# KiCad board smps_legged_robot.kicad_pcb (continued)
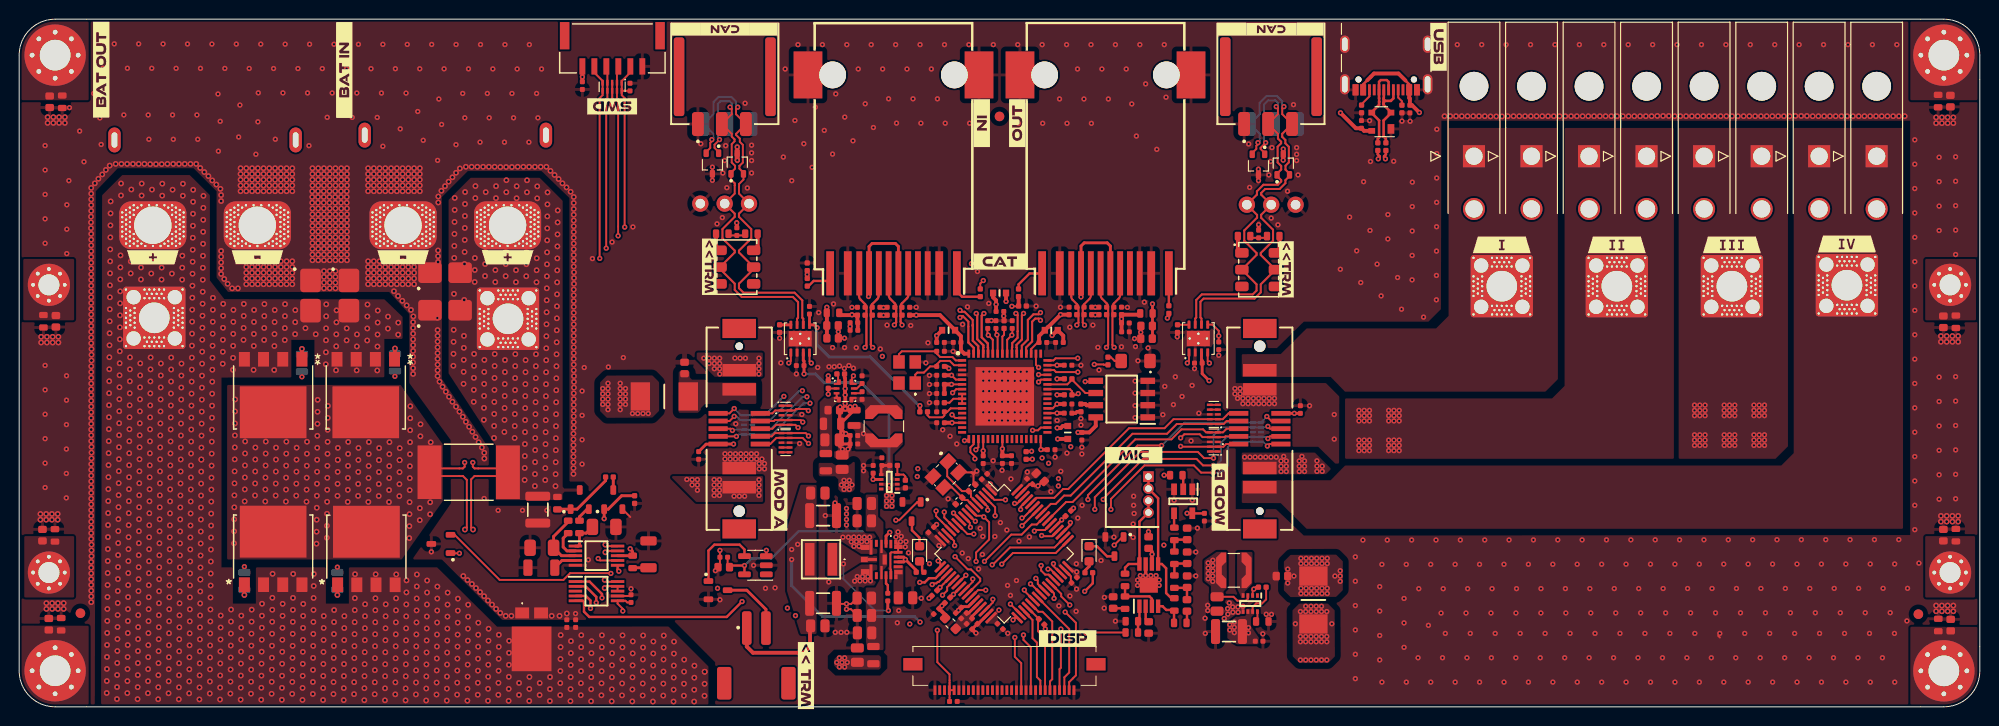
[diagram p0: board, top side]
## Library data of the parts
C401 C402 = -: Description: Unpolarized capacitor, small symbol; Digikey ref: 311-3707-1-ND; Manufacturer ref: CC0402BRNPO9BN6R0
C403-C405 C407-C410 C414 C416 C417 C808 C809 C815 C901 C1001 C1101 C1102 C1104 C1105 C1109-C1128 C1206 C1701 C1709 C1801 C2001 = -: Description: Unpolarized capacitor, small symbol; Manufacturer: Murata Electronics; Manufacturer Part Number: GCM155R71H104KE02J; Supplier 1: Digikey; Supplier Part Number 1: 490-14514-1-ND
C406 C412 C413 C415 C814 C818 C820 = -: Description: Unpolarized capacitor; Manufacturer: Murata Electronics; Manufacturer Part Number: GRM155Z71A105KE01J; Supplier 1: Digikey; Supplier Part Number 1: 490-GRM155Z71A105KE01JCT-ND
C411 C1802 = -: Description: Unpolarized capacitor; Manufacturer: Murata Electronics; Manufacturer Part Number: GRM188Z71C475KE21J; Supplier 1: Digikey; Supplier Part Number 1: 490-GRM188Z71C475KE21JCT-ND
C801 C810-C812 C1201-C1203 = -: Description: Unpolarized capacitor; Manufacturer: TDK Corporation; Manufacturer Part Number: CGA4J1X7R2A225K125AC; Supplier 1: Mouser; Supplier Part Number 1: 810-CGA4J7R2A225K125
C802 C813 C1204 C1302 C1401 C1503 = -: Description: Unpolarized capacitor; Manufacturer: Taiyo Yuden; Manufacturer Part Number: HMK107B7104KAHT; Supplier 1: Digikey; Supplier Part Number 1: 587-6009-1-ND
C803-C806 C1103 C1129-C1147 C1205 C1207 C1501 C1502 C1504 C1702-C1708 = -: Description: Unpolarized capacitor
C807 C817 = -: Description: Unpolarized capacitor; Manufacturer: Murata Electronics; Manufacturer Part Number: GRM21BZ71A226ME15L; Supplier 1: Digikey; Supplier Part Number 1: 490-GRM21BZ71A226ME15LCT-ND
C816 = -: Description: Unpolarized capacitor; Manufacturer: Murata Electronics; Manufacturer Part Number: GCM155R71H104KE02J; Supplier 1: Digikey; Supplier Part Number 1: 490-14514-1-ND
C1149 C1150 = -: Description: Unpolarized capacitor, small symbol; Manufacturer: Murata Electronics; Manufacturer Part Number: GCM155R72A472KA37D; Supplier 1: Digikey; Supplier Part Number 1: 490-4765-1-ND
C2102-C2105 C2201-C2204 = -: Description: Unpolarized capacitor, small symbol; Manufacturer: KEMET; Manufacturer Part Number: C0603V102KDRAC7867; Supplier 1: Digikey; Supplier Part Number 1: 399-12306-1-ND
D401 = -: Description: Ultra low capacitance double rail-to-rail ESD protection diode, SOT-143; Distributor: Mouser; Distributor ref: 771-PRTR5V0U2X-T/R; Manufacturer ref: PRTR5V0U2X,215
D402 D901-D903 D1001-D1003 = -: Description: 3.5V (Typ) Clamp 7A (8/20µs) Ipp Tvs Diode Surface Mount, Wettable Flank DFN2510D-10; Manufacturer: Nexperia USA Inc.; Supplier 1: Digikey; Supplier Part Number 1: 1727-PESD4USB3U-TBSXCT-ND
D501-D504 = -: Description: ESD Suppressors / TVS Diodes 51V 600W Bidir TransZorb 3.5% Tol; Manufacturer: Vishay; Supplier 1: Digikey; Supplier Part Number 1: SMBJ51CD-M3/HGICT-ND
D801 D802 = -: Description: Light emitting diode; Digikey ref: 492-1324-1-ND; Manufacturer ref: SM0603GC
D1101 = -: Description: ON SEMICONDUCTOR - FSV10150V - SCHOTTKY RECT, AEC-Q101, 150V, TO-277; Height: 1.2; Manufacturer_Name: onsemi; Mouser Part Number: 512-FSV10150V; Mouser Price/Stock: https://www.mouser.co.uk/ProductDetail/onsemi-Fairchild/FSV10150V?qs=8Nc07tNByyHDpnj9P4DlxQ%3D%3D
D1102-D1105 = -: Description: ESD Suppressors / TVS Diodes PESD2CANFD24V-UX; Manufacturer: Nexperia USA Inc.; Supplier 1: Digikey; Supplier Part Number 1: 1727-PESD2CANFD24V-UXCT-ND
D1107 = -: Description: Light emitting diode; Digikey ref: 160-1445-1-ND; Manufacturer ref: LTST-C191KFKT
F1301 F1401 = -: Description: Littelfuse 15A FF Non-Resettable Surface Mount Fuse, 65 V; Height: 2.94; Manufacturer_Name: LITTELFUSE; Mouser Part Number: 576-0451015.MRL; Mouser Price/Stock: https://www.mouser.co.uk/ProductDetail/Littelfuse/0451015.MRL?qs=bpnLQM2ZShzZ87Rm5CvzLA%3D%3D
FB401 = -: Description: Ferrite bead, small symbol; Digikey ref: 490-13260-1-ND; Manufacturer ref: BLM18KG101TH1D
FB801 FB1201 = -: Description: Ferrite bead; Manufacturer: Würth Elektronik; Manufacturer Part Number: 742792096; Supplier 1: Digikey; Supplier Part Number 1: 732-4648-1-ND
FB1101-FB1104 = -: Description: Ferrite bead
FM2201-FM2206 = -: Description: Fiducial Marker
H2101-H2104 H2201-H2204 = -: Description: Mounting Hole with connection
IC801 = -: Description: Switching Voltage Regulators Automotive 3-V to 17-V, 0.6-A, low-IQ, synchronous buck converter in SOT-583 package 8-SOT-5X3 -40 to 150; Height: 0.6; Manufacturer_Name: Texas Instruments; Mouser Part Number: 595-TPS629206QDRLRQ1; Mouser Price/Stock: https://www.mouser.co.uk/ProductDetail/Texas-Instruments/TPS629206QDRLRQ1?qs=Znm5pLBrcAKSjTz%252BzqwnCQ%3D%3D
IC1101 = -: Description: Ethernet ICs; Height: 1; Manufacturer_Name: Microchip; Manufacturer_Part_Number: LAN9252/ML; Mouser Part Number: 579-LAN9252/ML; Mouser Price/Stock: https://www.mouser.co.uk/ProductDetail/Microchip-Technology/LAN9252-ML?qs=%252ByRm1sYhYIl68yMSuZ2bQg%3D%3D
IC1102 = -: Description: 16 Kbit serial I2C bus EEPROM; Height: 1.75; Manufacturer_Name: STMicroelectronics; Mouser Part Number: 511-M24C16-RMN6P; Mouser Price/Stock: https://www.mouser.co.uk/ProductDetail/STMicroelectronics/M24C16-RMN6P?qs=%252B9pWl1iD4MU%252B7lOBoLtZBw%3D%3D
IC1201 = -: Description: Automotive, 65V, 2A/3A Mini Buck Converter; Height: 0.8; Manufacturer_Name: Analog Devices; Manufacturer_Part_Number: MAX25262AFOF/VY+; Mouser Part Number: 700-MAX25262AFOF/VY+; Mouser Price/Stock: https://www.mouser.co.uk/ProductDetail/Maxim-Integrated/MAX25262AFOF-VY%2b?qs=Znm5pLBrcAKuUEKeEaESFA%3D%3D
IC1501 = -: Description: Hot Swap Voltage Controllers Latchbl Pos Hi-Vltg Pwr-Limiting; Height: 1.1; Manufacturer_Name: Texas Instruments; Mouser Part Number: 595-TPS2490DGSRG4; Mouser Price/Stock: https://www.mouser.co.uk/ProductDetail/Texas-Instruments/TPS2490DGSRG4?qs=zwk82MlA57auQClRqTFrLQ%3D%3D
IC1701 = -: Description: Texas Instruments,TPA6205A1DGN,IC,Audio Texas Instruments TPA6205A1DGN Audio Amplifier IC, Class-AB Mono -70dB, 8-Pin MSOP; Height: 1.1; Manufacturer_Name: Texas Instruments; Mouser Part Number: 595-TPA6205A1DGN; Mouser Price/Stock: https://www.mouser.co.uk/ProductDetail/Texas-Instruments/TPA6205A1DGN?qs=7kv20MEVUljOyoi6kBHf1Q%3D%3D
IC2001 = -: Description: Current & Power Monitors & Regulators AEC-Q100, 85-V, 16-bit, high-precision, SPI output current/voltage/power monitor; Height: 1.1; Manufacturer_Name: Texas Instruments; Mouser Part Number: 595-INA239AQDGSRQ1; Mouser Price/Stock: https://www.mouser.co.uk/ProductDetail/Texas-Instruments/INA239AQDGSRQ1?qs=QNEnbhJQKva5RO79sS938A%3D%3D
J301-J306 = -: Description: Solder Pad
J402 = -: Description: Generic connector, single row, 01x06, script generated (kicad-library-utils/schlib/autogen/connector/); Digikey ref: 455-1568-1-ND; Manufacturer ref: SM06B-GHS-TB(LF)(SN)
J403 = -: Description: USB 2.0-only Type-C Receptacle connector
J501 J502 = -: Description: Generic connector, single row, 01x02, script generated (kicad-library-utils/schlib/autogen/connector/)
J1102-J1105 J1109 J1110 = -: Description: Generic connector, single row, 01x03, script generated (kicad-library-utils/schlib/autogen/connector/)
J1107 J1108 = -: Description: LAN Transformer Jack, RJ45, 10/100 BaseT
J1301 J2501 = -: Description: ComboStak<sup>&reg;</sup> Vertical Header 2P 10S 2P Height 4.3mm; Height: 8.2; Manufacturer_Name: Amphenol Communications Solutions; Mouser Part Number: 649-1015955841421RLF; Mouser Price/Stock: https://www.mouser.co.uk/ProductDetail/Amphenol-FCI/10159558-410421RLF?qs=QNEnbhJQKva7HjZyp6dv%2Fw%3D%3D
J1701 = -: Description: 1.25mm Pitch, PicoBlade PCB Header, Single Row, Right-Angle, Through Hole, Gold (Au) Plating, Friction Lock, 4 Circuits, Tape and Reel, 2.30mm PC Tail Length; Height: 3.5; Manufacturer_Name: Molex; Mouser Part Number: 538-53048-0450; Mouser Price/Stock: https://www.mouser.co.uk/ProductDetail/Molex/53048-0450?qs=0lSvoLzn4L%252Bhzo05ywM78Q%3D%3D
J1702 = -: Description: MOLEX - 505110-3091 - CONNECTOR, FFC/FPC, 30POS, 1ROW, 0.5MM; Height: 2.1; Manufacturer_Name: Molex; Mouser Part Number: 538-505110-3091; Mouser Price/Stock: https://www.mouser.co.uk/ProductDetail/Molex/505110-3091?qs=fSIr1QPo%2F%2FSZ9fkf9Qvqqg%3D%3D
J1801 = -: Description: Generic screw terminal, single row, 01x02, script generated (kicad-library-utils/schlib/autogen/connector/)
L801 = -: Description: Inductor
L802 = -: Description: Inductor; Manufacturer: Coilcraft; Manufacturer Part Number: LPS3314-222MRC; Supplier 1: Mouser; Supplier Part Number 1: 994-LPS3314-222MRC
L803 = -: Description: Inductor; Manufacturer: Coilcraft; Manufacturer Part Number: LPS4018-223MRC; Supplier 1: Mouser; Supplier Part Number 1: 994-LPS4018-223MRC
NT1101 NT1103 NT1601 NT1602 = -: Description: Net tie, 2 pins
Q801 Q802 Q1102 Q1401 = -: Description: N-MOSFET transistor, drain/source/gate; Sim.Device: NMOS; Sim.Pins: 1=D 2=G 3=S; Sim.Type: VDMOS
Q1101 = -: Description: P-MOSFET transistor, drain/source/gate; Sim.Device: PMOS; Sim.Pins: 1=D 2=G 3=S; Sim.Type: VDMOS
R401-R406 R801 R807 R808 R1103-R1105 R1113-R1136 R1501-R1504 R1507 R1601-R1604 R1701-R1710 = -: Description: Resistor
R407 R408 = -: Description: Resistor, small symbol; Manufacturer: Vishay; Manufacturer Part Number: RCS0402100RFKED; Supplier 1: Digikey; Supplier Part Number 1: 541-2886-1-ND
R802 R804 R805 = -: Description: Resistor; Manufacturer: Panasonic Electronic Components; Manufacturer Part Number: ERJ-2GE0R00X; Supplier 1: Digikey; Supplier Part Number 1: P0.0JCT-ND
R803 R806 R1101 R1102 = -: Description: Resistor; Manufacturer: YAGEO; Manufacturer Part Number: RT0402FRE0710KL; Supplier 1: Digikey; Supplier Part Number 1: YAG1233CT-ND
R1107 R1108 R1138 R1139 = -: Description: Resistor, small symbol; Manufacturer: Rohm Semiconductor; Manufacturer Part Number: ESR03EZPF60R4; Supplier 1: Digikey; Supplier Part Number 1: 511-ESR03EZPF60R4CT-ND
R1505 = -: Description: Resistor; Model: WSLP3921L3000FEA
R2102-R2105 R2201-R2204 = -: Description: Resistor, small symbol; Manufacturer: Vishay; Manufacturer Part Number: CRCW06030000Z0EAHP; Supplier 1: Digikey; Supplier Part Number 1: 541-0.0SBCT-ND
SW1101 SW1103 = -: Description: Switch, dual pole double throw, separate symbols; Manufacturer: Nidec Components Corporation; Supplier 1: Digikey; Supplier Part Number 1: CAS220JCT-ND
U401 = -: Description: STMicroelectronics Arm Cortex-M4 MCU, 512KB flash, 128KB RAM, 170 MHz, 1.71-3.6V, 52 GPIO, LQFP64
U801 = -: Description: Power Switch ICs - Power Distribution 1.6-V to 5.5-V, 40-mOhm, 2.5-A, low-IQ, priority power multiplexer ;; Digikey ref: 296-TPS2116DRLRCT-ND
U802 = -: Description: LMR36506-Q1 3-V to 65-V, 0.6-A Synchronous Buck Converter 5V output 2.2MHz fixed; Manufacturer: Texas Instruments; Manufacturer Part Number: LMR36503MSC5RPERQ1; Supplier 1: Digikey; Supplier Part Number 1: 296-LMR36506MSC5RPERQ1CT-ND
U1101 U1102 = -: Description: 1/1 Transceiver Half CANbus 8-SOIC
U1701 = -: Description: Single Buffer Gate Tri-State, Low-Voltage CMOS
U1801 = -: Description: 1.9A HIGH SPEED SINGLE GATE DRIVER
Y401 = -: Description: Four pin crystal, GND on pins 2 and 4; Digikey ref: 535-ABM10W-48.0000MHZ-8-D7G-T3CT-ND; Manufacturer ref: ABM10W-48.0000MHZ-8-D7G-T3
Y1101 = -: Description: Three pin crystal, GND on pin 2

## Footprints (pads in the part's own frame, mm; a bottom-side part is the same pattern mirrored in y, then rotated)
7M25000MAAJT
  rect 1.4x1.2 smd: 1(-1.1,-0.85) 2(1.1,-0.85) 3(1.1,0.85) 4(-1.1,0.85)
172448-YY02
  round 3 hole 3 unplated: (0,-7.3)
  rect 2.3x2.3 hole 1.8: 1(0,0)
  round 2.3 hole 1.8: 2(0,5.5)
1054301203
  rrect 1.24x2.5 smd: 1(2.8,4.685) 2(0.3,4.685) 3(-2.2,4.685)
  rrect 1.1x8.2 smd: MP1(4.77,-0.245) MP2(-4.77,-0.245)
5051103091
  rect 0.3x1 smd: 1(-7.25,2.025) 2(-6.75,2.025) 3(-6.25,2.025) 4(-5.75,2.025) 5(-5.25,2.025) 6(-4.75,2.025) 7(-4.25,2.025) 8(-3.75,2.025) 9(-3.25,2.025) 10(-2.75,2.025) 11(-2.25,2.025) 12(-1.75,2.025) 13(-1.25,2.025) 14(-0.75,2.025) 15(-0.25,2.025) 16(0.25,2.025) 17(0.75,2.025) 18(1.25,2.025) 19(1.75,2.025) 20(2.25,2.025) 21(2.75,2.025) 22(3.25,2.025) 23(3.75,2.025) 24(4.25,2.025) 25(4.75,2.025) 26(5.25,2.025) 27(5.75,2.025) 28(6.25,2.025) 29(6.75,2.025) 30(7.25,2.025)
  rect 2x1.3 smd: MP1(-9.55,-0.675) MP2(9.55,-0.675)
10159558410421RLF
  round 0.8 hole 0.8 unplated: (-8.6,0)
  round 1.2 hole 1.2 unplated: (8.6,0)
  rect 2x3.5 smd: MP1(-10.45,0) MP2(10.45,0)
  rect 1.3x3.5 smd: P1(-4.1,0) P2(4.1,0) P3(-6.1,0) P4(6.1,0)
  rect 0.5x2 smd: S1(-1.6,2.2) S2(-1.6,-2.2) S3(-0.8,2.2) S4(-0.8,-2.2) S5(0,2.2) S6(0,-2.2) S7(0.8,2.2) S8(0.8,-2.2) S9(1.6,2.2) S10(1.6,-2.2)
ABM8W480000MHZ6D1XT3
  rect 1.4x1.15 smd: 1(-1.1,-0.488) 2(1.1,-0.488) 3(1.1,1.113) 4(-1.1,1.113)
AMASS_XT90PW-F
  round 0.55 hole 0.25: 1(-8.66,10.06) 1(-8.66,9.56) 1(-8.66,9.06) 1(-8.66,8.56) 1(-8.66,8.06) 1(-8.66,7.56) 1(-8.26,10.81) 1(-8.26,10.31) 1(-8.26,9.81) 1(-8.26,9.31) 1(-8.26,8.81) 1(-8.26,8.31) 1(-8.26,7.81) 1(-8.26,7.31) 1(-7.86,11.06) 1(-7.86,10.56) 1(-7.86,10.06) 1(-7.86,9.56) 1(-7.86,9.06) 1(-7.86,8.56) 1(-7.86,8.06) 1(-7.86,7.56) 1(-7.86,7.06) 1(-7.46,10.81) 1(-7.46,10.31) 1(-7.46,9.81) 1(-7.46,7.81) 1(-7.46,7.31) 1(-7.46,6.81) 1(-7.06,11.06) 1(-7.06,10.56) 1(-7.06,7.06) 1(-6.66,10.81) 1(-6.66,6.81) 1(-6.26,11.06) 1(-5.86,6.81) 1(-5.46,11.06) 1(-5.06,6.81) 1(-4.66,11.06) 1(-4.26,10.81) 1(-4.26,6.81) 1(-3.86,11.06) 1(-3.86,10.56) 1(-3.86,7.06) 1(-3.46,10.81) 1(-3.46,10.31) 1(-3.46,9.81) 1(-3.46,7.81) 1(-3.46,7.31) 1(-3.46,6.81) 1(-3.06,11.06) 1(-3.06,10.56) 1(-3.06,10.06) 1(-3.06,9.56) 1(-3.06,9.06) 1(-3.06,8.56) 1(-3.06,8.06) 1(-3.06,7.56) 1(-3.06,7.06) 1(-2.66,10.81) 1(-2.66,10.31) 1(-2.66,9.81) 1(-2.66,9.31) 1(-2.66,8.81) 1(-2.66,8.31) 1(-2.66,7.81) 1(-2.66,7.31) 1(-2.26,10.06) 1(-2.26,9.56) 1(-2.26,9.06) 1(-2.26,8.56) 1(-2.26,8.06) 1(-2.26,7.56) 2(2.24,10.06) 2(2.24,9.56) 2(2.24,9.06) 2(2.24,8.56) 2(2.24,8.06) 2(2.24,7.56) 2(2.64,10.81) 2(2.64,10.31) 2(2.64,9.81) 2(2.64,9.31) 2(2.64,8.81) 2(2.64,8.31) 2(2.64,7.81) 2(2.64,7.31) 2(3.04,11.06) 2(3.04,10.56) 2(3.04,10.06) 2(3.04,9.56) 2(3.04,9.06) 2(3.04,8.56) 2(3.04,8.06) 2(3.04,7.56) 2(3.04,7.06) 2(3.44,10.81) 2(3.44,10.31) 2(3.44,9.81) 2(3.44,7.81) 2(3.44,7.31) 2(3.44,6.81) 2(3.84,11.06) 2(3.84,10.56) 2(3.84,7.06) 2(4.24,10.81) 2(4.24,6.81) 2(4.64,11.06) 2(5.04,6.81) 2(5.44,11.06) 2(5.84,6.81) 2(6.24,11.06) 2(6.64,10.81) 2(6.64,6.81) 2(7.04,11.06) 2(7.04,10.56) 2(7.04,7.06) 2(7.44,10.81) 2(7.44,10.31) 2(7.44,9.81) 2(7.44,7.81) 2(7.44,7.31) 2(7.44,6.81) 2(7.84,11.06) 2(7.84,10.56) 2(7.84,10.06) 2(7.84,9.56) 2(7.84,9.06) 2(7.84,8.56) 2(7.84,8.06) 2(7.84,7.56) 2(7.84,7.06) 2(8.24,10.81) 2(8.24,10.31) 2(8.24,9.81) 2(8.24,9.31) 2(8.24,8.81) 2(8.24,8.31) 2(8.24,7.81) 2(8.24,7.31) 2(8.64,10.06) 2(8.64,9.56) 2(8.64,9.06) 2(8.64,8.56) 2(8.64,8.06) 2(8.64,7.56)
  rrect 7x5 hole 3.9: 1(-5.45,8.9) 2(5.45,8.9)
  oval 1.3x2.6 hole 0.6x1.6: S1(9.45,0) S2(-9.45,0)
AMASS_XT90PW-M
  round 0.55 hole 0.25: 1(2.24,10.56) 1(2.24,10.06) 1(2.24,9.56) 1(2.24,9.06) 1(2.24,8.56) 1(2.24,8.06) 1(2.64,11.31) 1(2.64,10.81) 1(2.64,10.31) 1(2.64,9.81) 1(2.64,9.31) 1(2.64,8.81) 1(2.64,8.31) 1(2.64,7.81) 1(3.04,11.56) 1(3.04,11.06) 1(3.04,10.56) 1(3.04,10.06) 1(3.04,9.56) 1(3.04,9.06) 1(3.04,8.56) 1(3.04,8.06) 1(3.04,7.56) 1(3.44,11.31) 1(3.44,10.81) 1(3.44,10.31) 1(3.44,8.31) 1(3.44,7.81) 1(3.44,7.31) 1(3.84,11.56) 1(3.84,11.06) 1(3.84,7.56) 1(4.24,11.31) 1(4.24,7.31) 1(4.64,11.56) 1(5.04,7.31) 1(5.44,11.56) 1(5.84,7.31) 1(6.24,11.56) 1(6.64,11.31) 1(6.64,7.31) 1(7.04,11.56) 1(7.04,11.06) 1(7.04,7.56) 1(7.44,11.31) 1(7.44,10.81) 1(7.44,10.31) 1(7.44,8.31) 1(7.44,7.81) 1(7.44,7.31) 1(7.84,11.56) 1(7.84,11.06) 1(7.84,10.56) 1(7.84,10.06) 1(7.84,9.56) 1(7.84,9.06) 1(7.84,8.56) 1(7.84,8.06) 1(7.84,7.56) 1(8.24,11.31) 1(8.24,10.81) 1(8.24,10.31) 1(8.24,9.81) 1(8.24,9.31) 1(8.24,8.81) 1(8.24,8.31) 1(8.24,7.81) 1(8.64,10.56) 1(8.64,10.06) 1(8.64,9.56) 1(8.64,9.06) 1(8.64,8.56) 1(8.64,8.06) 2(-8.66,10.56) 2(-8.66,10.06) 2(-8.66,9.56) 2(-8.66,9.06) 2(-8.66,8.56) 2(-8.66,8.06) 2(-8.26,11.31) 2(-8.26,10.81) 2(-8.26,10.31) 2(-8.26,9.81) 2(-8.26,9.31) 2(-8.26,8.81) 2(-8.26,8.31) 2(-8.26,7.81) 2(-7.86,11.56) 2(-7.86,11.06) 2(-7.86,10.56) 2(-7.86,10.06) 2(-7.86,9.56) 2(-7.86,9.06) 2(-7.86,8.56) 2(-7.86,8.06) 2(-7.86,7.56) 2(-7.46,11.31) 2(-7.46,10.81) 2(-7.46,10.31) 2(-7.46,8.31) 2(-7.46,7.81) 2(-7.46,7.31) 2(-7.06,11.56) 2(-7.06,11.06) 2(-7.06,7.56) 2(-6.66,11.31) 2(-6.66,7.31) 2(-6.26,11.56) 2(-5.86,7.31) 2(-5.46,11.56) 2(-5.06,7.31) 2(-4.66,11.56) 2(-4.26,11.31) 2(-4.26,7.31) 2(-3.86,11.56) 2(-3.86,11.06) 2(-3.86,7.56) 2(-3.46,11.31) 2(-3.46,10.81) 2(-3.46,10.31) 2(-3.46,8.31) 2(-3.46,7.81) 2(-3.46,7.31) 2(-3.06,11.56) 2(-3.06,11.06) 2(-3.06,10.56) 2(-3.06,10.06) 2(-3.06,9.56) 2(-3.06,9.06) 2(-3.06,8.56) 2(-3.06,8.06) 2(-3.06,7.56) 2(-2.66,11.31) 2(-2.66,10.81) 2(-2.66,10.31) 2(-2.66,9.81) 2(-2.66,9.31) 2(-2.66,8.81) 2(-2.66,8.31) 2(-2.66,7.81) 2(-2.26,10.56) 2(-2.26,10.06) 2(-2.26,9.56) 2(-2.26,9.06) 2(-2.26,8.56) 2(-2.26,8.06)
  rrect 7x5 hole 3.9: 1(5.45,9.4) 2(-5.45,9.4)
  oval 1.3x2.6 hole 0.6x1.6: S1(-9.45,0) S2(9.45,0)
BLM18SP221SN1B
  rect 0.65x0.7 smd: 1(-0.675,0) 2(0.675,0)
C_0402_1005_DensityHigh
  rrect 0.52x0.52 smd: 1(-0.4,0) 2(0.4,0)
C_0402_1005Metric
  rrect 0.56x0.62 smd: 1(-0.48,0) 2(0.48,0)
C_0603_1608_DensityHigh
  rrect 0.75x0.9 smd: 1(-0.6,0) 2(0.6,0)
C_0805_2012_DensityHigh
  rrect 0.95x1.35 smd: 1(-0.75,0) 2(0.75,0)
C_0805_2012_DensityHighest
  rrect 0.7x1.35 smd: 1(-0.8,0) 2(0.8,0)
C_1206_3216_DensityHigh
  rrect 0.95x1.7 smd: 1(-1.4,0) 2(1.4,0)
C_1210_3225_DensityHigh
  rrect 0.95x2.6 smd: 1(-1.4,0) 2(1.4,0)
CAS-220A_NDC-L
  rrect 1.4x1 smd: 1(-1.75,1.75) 2(-1.75,0) 3(-1.75,-1.75) 4(1.75,1.75) 5(1.75,0) 6(1.75,-1.75)
CONN_SM06B-GHS-TB_JST
  rect 0.61x1.702 smd: 1(-3.125,1.876) 2(-1.875,1.876) 3(-0.625,1.876) 4(0.625,1.876) 5(1.875,1.876) 6(3.125,1.876)
  rect 0.991x2.845 smd: 7(-4.975,-1.324) 8(4.975,-1.324)
DIOM4336X24N
  rrect 2.45x2.15 smd: 1(-1.575,0) 2(1.575,0)
FES10D
  rect 1.15x1.45 smd: 1(2.75,0.985) 2(2.75,-0.985)
  rect 4.65x4.15 smd: 3(-1,0)
Fiducial_1mm_Mask2mm
  round 1 smd: (0,0)
FUSC6127X294N
  rect 2.02x2.95 smd: 1(-2.5,0) 2(2.5,0)
HVSON-8-1EP_3x3mm_P0.65mm_EP1.6x2.4mm_ThermalVias
  rrect 1.4x1 smd: (0,0.6) (0,-0.6)
  rrect 0.85x0.3 smd: 1(-1.45,0.975) 2(-1.45,0.325) 3(-1.45,-0.325) 4(-1.45,-0.975) 5(1.45,-0.975) 6(1.45,-0.325) 7(1.45,0.325) 8(1.45,0.975)
  round 0.55 hole 0.25: 9(-0.5,0) 9(0,0.9) 9(0,-0.9) 9(0.5,0)
  rect 1.6x2.4 smd: 9(0,0)
JST_PH_S2B-PH-SM4-TB_1x02-1MP_P2.00mm_Horizontal
  rrect 1x3.5 smd: 1(-1,2.85) 2(1,2.85)
  rrect 1.5x3.4 smd: MP1(-3.35,-2.9) MP2(3.35,-2.9)
L_0603_1608Metric
  rrect 0.875x0.95 smd: 1(-0.788,0) 2(0.788,0)
L_Coilcraft_LPS3314
  custom 0.6x0.881 smd: 1(-1.55,0) 2(1.55,0)
L_Coilcraft_LPS4018
  custom 0.87x2.79 smd: 1(-1.765,0) 2(1.765,0)
LED_0603_1608Metric
  rrect 0.875x0.95 smd: 1(-0.787,0) 2(0.787,0)
LED_SM1206
  rrect 1.2x1.5 smd: 1(-1.5,0) 2(1.5,0)
LMR36503
  custom 0.25x0.201 smd: 1(-0.65,0.8)
  rect 0.6x0.25 smd: 2(-0.9,0.25) 3(-0.9,-0.25) 6(0.9,-0.25) 7(0.9,0.25)
  custom 0.2x0.2 smd: 4(-0.7,-0.8) 5(0.7,-0.8) 8(0.7,0.8)
  rect 0.35x1.3 smd: 9(0,0.55)
LQFP-64_10x10mm_P0.5mm
  rrect 1.55x0.3 smd: 1(-5.675,3.75) 2(-5.675,3.25) 3(-5.675,2.75) 4(-5.675,2.25) 5(-5.675,1.75) 6(-5.675,1.25) 7(-5.675,0.75) 8(-5.675,0.25) 9(-5.675,-0.25) 10(-5.675,-0.75) 11(-5.675,-1.25) 12(-5.675,-1.75) 13(-5.675,-2.25) 14(-5.675,-2.75) 15(-5.675,-3.25) 16(-5.675,-3.75) 33(5.675,-3.75) 34(5.675,-3.25) 35(5.675,-2.75) 36(5.675,-2.25) 37(5.675,-1.75) 38(5.675,-1.25) 39(5.675,-0.75) 40(5.675,-0.25) 41(5.675,0.25) 42(5.675,0.75) 43(5.675,1.25) 44(5.675,1.75) 45(5.675,2.25) 46(5.675,2.75) 47(5.675,3.25) 48(5.675,3.75)
  rrect 0.3x1.55 smd: 17(-3.75,-5.675) 18(-3.25,-5.675) 19(-2.75,-5.675) 20(-2.25,-5.675) 21(-1.75,-5.675) 22(-1.25,-5.675) 23(-0.75,-5.675) 24(-0.25,-5.675) 25(0.25,-5.675) 26(0.75,-5.675) 27(1.25,-5.675) 28(1.75,-5.675) 29(2.25,-5.675) 30(2.75,-5.675) 31(3.25,-5.675) 32(3.75,-5.675) 49(3.75,5.675) 50(3.25,5.675) 51(2.75,5.675) 52(2.25,5.675) 53(1.75,5.675) 54(1.25,5.675) 55(0.75,5.675) 56(0.25,5.675) 57(-0.25,5.675) 58(-0.75,5.675) 59(-1.25,5.675) 60(-1.75,5.675) 61(-2.25,5.675) 62(-2.75,5.675) 63(-3.25,5.675) 64(-3.75,5.675)
MAX25262AFOFVY
  rect 0.875x0.3 smd: 1(-1.612,0.95) 11(1.612,0.95)
  rect 0.825x0.3 smd: 2(-1.637,0.45) 10(1.637,0.45)
  rect 1.375x0.25 smd: 3(-1.362,-0.025) 9(1.362,-0.025)
  rect 0.725x0.3 smd: 4(-1.687,-0.56) 8(1.687,-0.56)
  rect 1.525x0.3 smd: 5(-1.275,-1.12) 7(1.275,-1.12)
  rect 0.55x0.725 smd: 6(0,-1.813)
  rect 0.45x0.875 smd: 12(1.325,1.738) 17(-1.325,1.738)
  rect 0.3x0.925 smd: 13(0.75,1.713) 14(0.25,1.713) 15(-0.25,1.713) 16(-0.75,1.713)
  rect 0.5x0.35 smd: 18(-1.8,1.475) 22(1.8,1.475)
  rect 0.55x0.905 smd: 19(-1.275,-1.722) 21(1.275,-1.722)
  rect 0.3x0.95 smd: 20(0,-0.975)
  rect 1.05x0.44 smd: 23(0,0.312)
MountingHole_2.2mm_M2_Pad_Via
  round 0.7 hole 0.4: 1(-1.65,0) 1(-1.167,1.167) 1(-1.167,-1.167) 1(0,1.65) 1(0,-1.65) 1(1.167,1.167) 1(1.167,-1.167) 1(1.65,0)
  round 4.4 hole 2.2: 1(0,0)
MountingHole_3.2mm_M3_Pad_Via
  round 0.8 hole 0.5: 1(-2.4,0) 1(-1.697,1.697) 1(-1.697,-1.697) 1(0,2.4) 1(0,-2.4) 1(1.697,1.697) 1(1.697,-1.697) 1(2.4,0)
  round 6.4 hole 3.2: 1(0,0)
NetTie-2_SMD_Pad0.2mm
  round 0.2 smd: 1(-0.2,0) 2(0.2,0)
  rect 0.4x0.2 smd: 1(0,0)
Pad_Square_Vias_6.5x6.5mm
  round 0.55 hole 0.25: 1(-2.95,2.95) 1(-2.95,1.02) 1(-2.95,0.51) 1(-2.95,0) 1(-2.95,-0.51) 1(-2.95,-1.02) 1(-2.95,-2.95) 1(-2.5,0.765) 1(-2.5,0.255) 1(-2.5,-0.255) 1(-2.5,-0.765) 1(-2.05,1.02) 1(-2.05,0.51) 1(-2.05,0) 1(-2.05,-0.51) 1(-2.05,-1.02) 1(-1.02,2.95) 1(-1.02,2.05) 1(-1.02,-2.05) 1(-1.02,-2.95) 1(-0.765,2.5) 1(-0.765,-2.5) 1(-0.51,2.95) 1(-0.51,2.05) 1(-0.51,-2.05) 1(-0.51,-2.95) 1(-0.255,2.5) 1(-0.255,-2.5) 1(0,2.95) 1(0,2.05) 1(0,-2.05) 1(0,-2.95) 1(0.255,2.5) 1(0.255,-2.5) 1(0.51,2.95) 1(0.51,2.05) 1(0.51,-2.05) 1(0.51,-2.95) 1(0.765,2.5) 1(0.765,-2.5) 1(1.02,2.95) 1(1.02,2.05) 1(1.02,-2.05) 1(1.02,-2.95) 1(2.05,1.02) 1(2.05,0.51) 1(2.05,0) 1(2.05,-0.51) 1(2.05,-1.02) 1(2.5,0.765) 1(2.5,0.255) 1(2.5,-0.255) 1(2.5,-0.765) 1(2.95,2.95) 1(2.95,1.02) 1(2.95,0.51) 1(2.95,0) 1(2.95,-0.51) 1(2.95,-1.02) 1(2.95,-2.95)
  round 2 hole 1.5: 1(-2.15,2.15) 1(-2.15,-2.15) 1(2.15,2.15) 1(2.15,-2.15)
  rrect 6.5x6.5 hole 3.2: 1(0,0)
POWERPAK8X8L_VIS
  rect 1.143x1.524 smd: 1(-3,-3.975) 2(-1,-3.975) 3(1,-3.975) 4(3,-3.975)
  rect 6.96x5.41 smd: 5(0,1.549)
PTH_1x03_P2.54mm
  round 1.7 hole 1: 1(0,0)
  oval 1.7x1.7 hole 1: 2(0,-2.54) 3(0,-5.08)
QFN50P900X900X100-65N-D
  rect 0.842x0.28 smd: 1(-4.452,3.75) 16(-4.452,-3.75) 33(4.452,-3.75) 48(4.452,3.75)
  rect 0.85x0.28 smd: 2(-4.45,3.25) 3(-4.45,2.75) 4(-4.45,2.25) 5(-4.45,1.75) 6(-4.45,1.25) 7(-4.45,0.75) 8(-4.45,0.25) 9(-4.45,-0.25) 10(-4.45,-0.75) 11(-4.45,-1.25) 12(-4.45,-1.75) 13(-4.45,-2.25) 14(-4.45,-2.75) 15(-4.45,-3.25) 34(4.45,-3.25) 35(4.45,-2.75) 36(4.45,-2.25) 37(4.45,-1.75) 38(4.45,-1.25) 39(4.45,-0.75) 40(4.45,-0.25) 41(4.45,0.25) 42(4.45,0.75) 43(4.45,1.25) 44(4.45,1.75) 45(4.45,2.25) 46(4.45,2.75) 47(4.45,3.25)
  rect 0.28x0.842 smd: 17(-3.75,-4.452) 32(3.75,-4.452) 49(3.75,4.452) 64(-3.75,4.452)
  rect 0.28x0.85 smd: 18(-3.25,-4.45) 19(-2.75,-4.45) 20(-2.25,-4.45) 21(-1.75,-4.45) 22(-1.25,-4.45) 23(-0.75,-4.45) 24(-0.25,-4.45) 25(0.25,-4.45) 26(0.75,-4.45) 27(1.25,-4.45) 28(1.75,-4.45) 29(2.25,-4.45) 30(2.75,-4.45) 31(3.25,-4.45) 50(3.25,4.45) 51(2.75,4.45) 52(2.25,4.45) 53(1.75,4.45) 54(1.25,4.45) 55(0.75,4.45) 56(0.25,4.45) 57(-0.25,4.45) 58(-0.75,4.45) 59(-1.25,4.45) 60(-1.75,4.45) 61(-2.25,4.45) 62(-2.75,4.45) 63(-3.25,4.45)
  rect 6.1x6.1 smd: 65(0,0)
R_0402_1005_DensityHigh
  rrect 0.55x0.55 smd: 1(-0.4,0) 2(0.4,0)
R_0603_1608_DensityHigh
  rrect 0.65x0.9 smd: 1(-0.65,0) 2(0.65,0)
R_0805_2012_DensityHigh
  rrect 0.75x1.3 smd: 1(-0.9,0) 2(0.9,0)
R_1206_3216_DensityHigh_Large
  rrect 1.2x1.7 smd: 1(-1.225,0) 2(1.225,0)
RES_WSLP3921_.003OHM_VIS
  rect 2.489x5.588 smd: 1(-4.089,0) 2(4.089,0)
RJ45_Wuerth_74980111211_Horizontal
  round 2.8 hole 2.8 unplated: (7.42,6.35) (7.42,-6.35)
  rect 4.6x0.81 smd: 1(-13.27,6.61) 2(-13.27,4.77) 11(-13.27,-4.77) 12(-13.27,-6.61)
  rect 4.6x0.61 smd: 3(-13.27,3.57) 4(-13.27,2.55) 5(-13.27,1.53) 6(-13.27,0.51) 7(-13.27,-0.51) 8(-13.27,-1.53) 9(-13.27,-2.55) 10(-13.27,-3.57)
  rect 4.9x3 smd: SH(7.42,8.92) SH(7.42,-8.92)
SHDRRA4W35P0X125_1X4_675X550X350P
  rect 1.1x1.1 hole 0.7: 1(0,0)
  round 1.1 hole 0.7: 2(-1.25,0) 3(-2.5,0) 4(-3.75,0)
SOIC127P600X175-8N
  rect 1.525x0.65 smd: 1(-2.712,1.905) 2(-2.712,0.635) 3(-2.712,-0.635) 4(-2.712,-1.905) 5(2.712,-1.905) 6(2.712,-0.635) 7(2.712,0.635) 8(2.712,1.905)
SOP50P490X110-10N
  rect 1.4x0.3 smd: 1(-2.2,1) 2(-2.2,0.5) 3(-2.2,0) 4(-2.2,-0.5) 5(-2.2,-1) 6(2.2,-1) 7(2.2,-0.5) 8(2.2,0) 9(2.2,0.5) 10(2.2,1)
SOP65P490X110-9N
  rect 1.4x0.45 smd: 1(-2.2,0.975) 2(-2.2,0.325) 3(-2.2,-0.325) 4(-2.2,-0.975) 5(2.2,-0.975) 6(2.2,-0.325) 7(2.2,0.325) 8(2.2,0.975)
  rect 1.57x1.89 smd: 9(0,0)
SOT95P230X117-3N
  rrect 0.8x0.55 smd: 1(-1.075,0.65) 2(-1.075,-0.65) 3(1.075,0)
SOT95P280X145-5N
  rect 1.2x0.6 smd: 1(-1.25,0.95) 2(-1.25,0) 3(-1.25,-0.95) 4(1.25,-0.95) 5(1.25,0.95)
SOT1176D
  rect 0.6x0.25 smd: 1(-0.425,1) 2(-0.425,0.5) 3(-0.425,0) 4(-0.425,-0.5) 5(-0.425,-1) 6(0.425,-1) 7(0.425,-0.5) 8(0.425,0) 9(0.425,0.5) 10(0.425,1)
SOT-23-3
  rrect 1x0.6 smd: 1(-1,0.95) 2(-1,-0.95) 3(1,0)
SOT-143
  rect 0.7x1 smd: 1(-1,0.75)
  rect 0.7x0.6 smd: 2(-1,-0.95) 3(1,-0.95) 4(1,0.95)
SOTFL50P160X60-8N
  rect 0.475x0.3 smd: 1(-0.838,0.75) 2(-0.838,0.25) 3(-0.838,-0.25) 4(-0.838,-0.75) 5(0.838,-0.75) 6(0.838,-0.25) 7(0.838,0.25) 8(0.838,0.75)
TSOT-23-5
  rrect 1.325x0.6 smd: 1(-1.137,0.95) 2(-1.137,0) 3(-1.137,-0.95) 4(1.137,-0.95) 5(1.137,0.95)
USB_C_Receptacle_GCT_USB4105-xx-A_16P_TopMnt_Horizontal
  round 0.65 hole 0.65 unplated: (-2.89,2.605) (2.89,2.605)
  rect 0.6x1.15 smd: A1(-3.2,3.68) A4(-2.4,3.68) A9(2.4,3.68) A12(3.2,3.68) B1(3.2,3.68) B4(2.4,3.68) B9(-2.4,3.68) B12(-3.2,3.68)
  rect 0.3x1.15 smd: A5(-1.25,3.68) A6(-0.25,3.68) A7(0.25,3.68) A8(1.25,3.68) B5(1.75,3.68) B6(0.75,3.68) B7(-0.75,3.68) B8(-1.75,3.68)
  oval 1x2.1 hole 0.6x1.7: S1(-4.32,3.105) S1(4.32,3.105)
  oval 1x1.8 hole 0.6x1.4: S1(-4.32,-1.075) S1(4.32,-1.075)
XEL4030682MEC
  rect 0.98x3.4 smd: 1(-1.185,0) 2(1.185,0)

## Nets
+3.3VA: C413.1 C414.1 C415.1 C416.1 FB401.1 U401.28 U401.29
+3V3: C404.1 C406.1 C407.1 C408.1 C409.1 C410.1 C411.1 C412.1 C807.1 C1101.1 C1102.1 C1109.1 C1110.1 C1116.1 C1117.1 C1118.1 C1119.1 C1121.1 C1123.1 C1128.1 C1147.1 C1701.1 C1708.1 C2001.1 FB401.2 FB1101.1 FB1102.1 FB1103.1 IC801.3 IC1101.5 IC1101.7 IC1101.14 IC1101.20 IC1101.32 IC1101.37 IC1101.47 IC1102.8 IC1701.6 IC2001.6 J402.6 L802.2 R401.2 R404.2 R405.2 R406.2 R1113.2 R1114.2 R1128.2 R1129.2 U401.1 U401.16 U401.32 U401.48 U401.64 U1101.5 U1102.5 U1501.1 U1701.5
+3V3_A: C1126.1 C1140.1 C1146.1 FB1102.2 IC1101.51 R1117.1 R1119.1 R1121.1 R1123.1 R1126.1
+3V3_B: C1127.1 C1139.1 C1145.1 FB1103.2 IC1101.64 R1118.1 R1120.1 R1122.1 R1124.1 R1127.1
+5V: C806.2 C820.1 C1104.1 C1105.1 C1709.1 C1801.1 C1802.1 IC801.6 IC801.7 J1702.26 J1702.27 R806.2 U801.2 U801.7 U1101.3 U1102.3 U1801.5
+12V: C803.2 C804.2 C805.2 C901.1 C1001.1 C1207.2 IC1201.14 IC1201.15 J1301.S10 J1801.1 J2501.S10 L801.2 R807.1 R808.1
+VBAT: C1501.1 D501.2 D502.2 J306.1 J501.2 NT1101.2 NT1601.2 Q1101.3 R1103.2 R1505.1
+VIN: C810.1 C1103.1 C1201.1 C1504.1 D503.2 D504.2 D1101.3 F1301.1 F1401.1 FB801.1 FB1201.1 IC1501.7 J305.1 J502.2 Q1201.2 Q1201.3 Q1201.4 Q1202.2 Q1202.3 Q1202.4 Q1203.2 Q1203.3 Q1203.4 Q1204.2 Q1204.3 Q1204.4
/Project Architecture/Power - Local Generation/3V3_GD: IC801.2 IC1201.2 Q802.1 R806.1
/Project Architecture/Power - Local Generation/5V_GD: Q801.1 R803.1 U802.2
/Project Architecture/Power - Local Generation/12V_PG: IC1201.1
/Project Architecture/Power - Local Generation/VCC_5V: C814.1 U802.7
